# Allegro board Try it by yourself - iMX6Rex module - Create Class - Assign Color - Copy last segment.brd (continued)
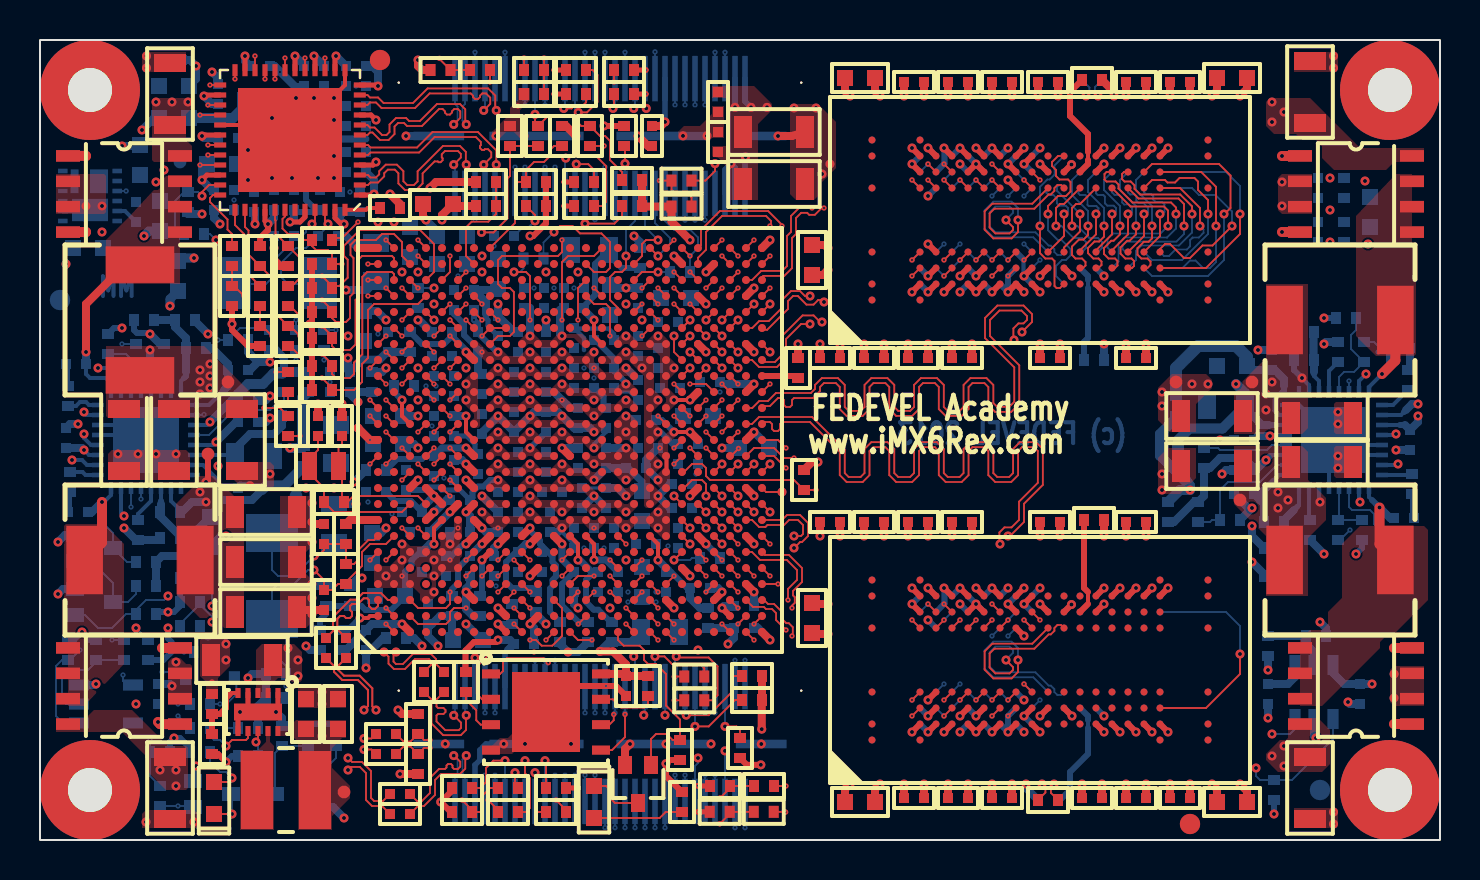
[diagram p0: board, top side]
## Footprints (pads in the part's own frame, mm; a bottom-side part is the same pattern mirrored in y, then rotated) (continued)
C1206_14
  rect 0.9x1.6 smd: 1(-1.55,0) 2(1.55,0)
C1206_15
  rect 0.9x1.6 smd: 1(-1.55,0) 2(1.55,0)
C1206_16
  rect 0.9x1.6 smd: 1(-1.55,0) 2(1.55,0)
DBV_SOT_23_5
  rect 1x0.55 smd: 1(-1.35,0.95) 2(-1.35,0) 3(-1.35,-0.95) 4(1.35,-0.95) 5(1.35,0.95)
DBV_SOT_23_6
  rect 1x0.55 smd: 1(-1.35,0.95) 2(-1.35,0) 3(-1.35,-0.95) 4(1.35,-0.95) 5(1.35,0) 6(1.35,0.95)
DQC_PWSON-N10
  rect 0.5x0.25 smd: 1(-0.95,1) 2(-0.95,0.5) 3(-0.95,0) 4(-0.95,-0.5) 5(-0.95,-1) 6(0.95,-1) 7(0.95,-0.5) 8(0.95,0) 9(0.95,0.5) 10(0.95,1)
  rect 0.84x2.4 smd: 11(0,0)
FID_40X52D
  round 1.016 smd: 1(0,0)
FID_40X52D_1
  round 1.016 smd: 1(0,0)
FID_40X52D_2
  round 1.016 smd: 1(0,0)
FID_40X52D_3
  round 1.016 smd: 1(0,0)
IHLP_255MILX270MIL
  rect 1.829x3.429 smd: 1(-2.769,0) 2(2.769,0)
IHLP_255MILX270MIL_1
  rect 1.829x3.429 smd: 1(-2.769,0) 2(2.769,0)
IHLP_255MILX270MIL_2
  rect 1.829x3.429 smd: 1(-2.769,0) 2(2.769,0)
IHLP_255MILX270MIL_3
  rect 1.829x3.429 smd: 1(-2.769,0) 2(2.769,0)
LED_0603
  rect 0.8x0.8 smd: 1(-0.8,0) 2(0.8,0)
LED_0603_1
  rect 0.8x0.8 smd: 1(-0.8,0) 2(0.8,0)
MH_5MMD_2_2MMD
  round 5 hole 2.2: 1(0,0)
MH_5MMD_2_2MMD_1
  round 5 hole 2.2: 1(0,0)
MH_5MMD_2_2MMD_2
  round 5 hole 2.2: 1(0,0)
MH_5MMD_2_2MMD_3
  round 5 hole 2.2: 1(0,0)
MLF_3X3_12PINS
  rect 0.48x0.23 smd: 1(-1.36,1.25) 2(-1.36,0.75) 3(-1.36,0.25) 4(-1.36,-0.25) 5(-1.36,-0.75) 6(-1.36,-1.25) 7(1.36,-1.25) 8(1.36,-0.75) 9(1.36,-0.25) 10(1.36,0.25) 11(1.36,0.75) 12(1.36,1.25)
  rect 1.8x1.125 smd: 13(0,0.699)
  rect 0.4x1.19 smd: 14(-0.77,-0.73)
  rect 0.9x1.19 smd: 15(0.45,-0.73)
PBGA624
  round 0.4 smd: A2(-8.8,9.6) A3(-8,9.6) A4(-7.2,9.6) A5(-6.4,9.6) A6(-5.6,9.6) A7(-4.8,9.6) A8(-4,9.6) A9(-3.2,9.6) A10(-2.4,9.6) A11(-1.6,9.6) A12(-0.8,9.6) A13(0,9.6) A14(0.8,9.6) A15(1.6,9.6) A16(2.4,9.6) A17(3.2,9.6) A18(4,9.6) A19(4.8,9.6) A20(5.6,9.6) A21(6.4,9.6) A22(7.2,9.6) A23(8,9.6) A24(8.8,9.6) A25(9.6,9.6) AA1(-9.6,-6.4) AA2(-8.8,-6.4) AA3(-8,-6.4) AA4(-7.2,-6.4) AA5(-6.4,-6.4) AA6(-5.6,-6.4) AA7(-4.8,-6.4) AA8(-4,-6.4) AA9(-3.2,-6.4) AA10(-2.4,-6.4) AA11(-1.6,-6.4) AA12(-0.8,-6.4) AA13(0,-6.4) AA14(0.8,-6.4) AA15(1.6,-6.4) AA16(2.4,-6.4) AA17(3.2,-6.4) AA18(4,-6.4) AA19(4.8,-6.4) AA20(5.6,-6.4) AA21(6.4,-6.4) AA22(7.2,-6.4) AA23(8,-6.4) AA24(8.8,-6.4) AA25(9.6,-6.4) AB1(-9.6,-7.2) AB2(-8.8,-7.2) AB3(-8,-7.2) AB4(-7.2,-7.2) AB5(-6.4,-7.2) AB6(-5.6,-7.2) AB7(-4.8,-7.2) AB8(-4,-7.2) AB9(-3.2,-7.2) AB10(-2.4,-7.2) AB11(-1.6,-7.2) AB12(-0.8,-7.2) AB13(0,-7.2) AB14(0.8,-7.2) AB15(1.6,-7.2) AB16(2.4,-7.2) AB17(3.2,-7.2) AB18(4,-7.2) AB19(4.8,-7.2) AB20(5.6,-7.2) AB21(6.4,-7.2) AB22(7.2,-7.2) AB23(8,-7.2) AB24(8.8,-7.2) AB25(9.6,-7.2) AC1(-9.6,-8) AC2(-8.8,-8) AC3(-8,-8) AC4(-7.2,-8) AC5(-6.4,-8) AC6(-5.6,-8) AC7(-4.8,-8) AC8(-4,-8) AC9(-3.2,-8) AC10(-2.4,-8) AC11(-1.6,-8) AC12(-0.8,-8) AC13(0,-8) AC14(0.8,-8) AC15(1.6,-8) AC16(2.4,-8) AC17(3.2,-8) AC18(4,-8) AC19(4.8,-8) AC20(5.6,-8) AC21(6.4,-8) AC22(7.2,-8) AC23(8,-8) AC24(8.8,-8) AC25(9.6,-8) AD1(-9.6,-8.8) AD2(-8.8,-8.8) AD3(-8,-8.8) AD4(-7.2,-8.8) AD5(-6.4,-8.8) AD6(-5.6,-8.8) AD7(-4.8,-8.8) AD8(-4,-8.8) AD9(-3.2,-8.8) AD10(-2.4,-8.8) AD11(-1.6,-8.8) AD12(-0.8,-8.8) AD13(0,-8.8) AD14(0.8,-8.8) AD15(1.6,-8.8) AD16(2.4,-8.8) AD17(3.2,-8.8) AD18(4,-8.8) AD19(4.8,-8.8) AD20(5.6,-8.8) AD21(6.4,-8.8) AD22(7.2,-8.8) AD23(8,-8.8) AD24(8.8,-8.8) AD25(9.6,-8.8) AE1(-9.6,-9.6) AE2(-8.8,-9.6) AE3(-8,-9.6) AE4(-7.2,-9.6) AE5(-6.4,-9.6) AE6(-5.6,-9.6) AE7(-4.8,-9.6) AE8(-4,-9.6) AE9(-3.2,-9.6) AE10(-2.4,-9.6) AE11(-1.6,-9.6) AE12(-0.8,-9.6) AE13(0,-9.6) AE14(0.8,-9.6) AE15(1.6,-9.6) AE16(2.4,-9.6) AE17(3.2,-9.6) AE18(4,-9.6) AE19(4.8,-9.6) AE20(5.6,-9.6) AE21(6.4,-9.6) AE22(7.2,-9.6) AE23(8,-9.6) AE24(8.8,-9.6) AE25(9.6,-9.6) B1(-9.6,8.8) B2(-8.8,8.8) B3(-8,8.8) B4(-7.2,8.8) B5(-6.4,8.8) B6(-5.6,8.8) B7(-4.8,8.8) B8(-4,8.8) B9(-3.2,8.8) B10(-2.4,8.8) B11(-1.6,8.8) B12(-0.8,8.8) B13(0,8.8) B14(0.8,8.8) B15(1.6,8.8) B16(2.4,8.8) B17(3.2,8.8) B18(4,8.8) B19(4.8,8.8) B20(5.6,8.8) B21(6.4,8.8) B22(7.2,8.8) B23(8,8.8) B24(8.8,8.8) B25(9.6,8.8) C1(-9.6,8) C2(-8.8,8) C3(-8,8) C4(-7.2,8) C5(-6.4,8) C6(-5.6,8) C7(-4.8,8) C8(-4,8) C9(-3.2,8) C10(-2.4,8) C11(-1.6,8) C12(-0.8,8) C13(0,8) C14(0.8,8) C15(1.6,8) C16(2.4,8) C17(3.2,8) C18(4,8) C19(4.8,8) C20(5.6,8) C21(6.4,8) C22(7.2,8) C23(8,8) C24(8.8,8) C25(9.6,8) D1(-9.6,7.2) D2(-8.8,7.2) D3(-8,7.2) D4(-7.2,7.2) D5(-6.4,7.2) D6(-5.6,7.2) D7(-4.8,7.2) D8(-4,7.2) D9(-3.2,7.2) D10(-2.4,7.2) D11(-1.6,7.2) D12(-0.8,7.2) D13(0,7.2) D14(0.8,7.2) D15(1.6,7.2) D16(2.4,7.2) D17(3.2,7.2) D18(4,7.2) D19(4.8,7.2) D20(5.6,7.2) D21(6.4,7.2) D22(7.2,7.2) D23(8,7.2) D24(8.8,7.2) D25(9.6,7.2) E1(-9.6,6.4) E2(-8.8,6.4) E3(-8,6.4) E4(-7.2,6.4) E5(-6.4,6.4) E6(-5.6,6.4) E7(-4.8,6.4) E8(-4,6.4) E9(-3.2,6.4) E10(-2.4,6.4) E11(-1.6,6.4) E12(-0.8,6.4) E13(0,6.4) E14(0.8,6.4) E15(1.6,6.4) E16(2.4,6.4) E17(3.2,6.4) E18(4,6.4) E19(4.8,6.4) E20(5.6,6.4) E21(6.4,6.4) E22(7.2,6.4) E23(8,6.4) E24(8.8,6.4) E25(9.6,6.4) F1(-9.6,5.6) F2(-8.8,5.6) F3(-8,5.6) F4(-7.2,5.6) F5(-6.4,5.6) F6(-5.6,5.6) F7(-4.8,5.6) F8(-4,5.6) F9(-3.2,5.6) F10(-2.4,5.6) F11(-1.6,5.6) F12(-0.8,5.6) F13(0,5.6) F14(0.8,5.6) F15(1.6,5.6) F16(2.4,5.6) F17(3.2,5.6) F18(4,5.6) F19(4.8,5.6) F20(5.6,5.6) F21(6.4,5.6) F22(7.2,5.6) F23(8,5.6) F24(8.8,5.6) F25(9.6,5.6) G1(-9.6,4.8) G2(-8.8,4.8) G3(-8,4.8) G4(-7.2,4.8) G5(-6.4,4.8) G6(-5.6,4.8) G7(-4.8,4.8) G8(-4,4.8) G9(-3.2,4.8) G10(-2.4,4.8) G11(-1.6,4.8) G12(-0.8,4.8) G13(0,4.8) G14(0.8,4.8) G15(1.6,4.8) G16(2.4,4.8) G17(3.2,4.8) G18(4,4.8) G19(4.8,4.8) G20(5.6,4.8) G21(6.4,4.8) G22(7.2,4.8) G23(8,4.8) G24(8.8,4.8) G25(9.6,4.8) H1(-9.6,4) H2(-8.8,4) H3(-8,4) H4(-7.2,4) H5(-6.4,4) H6(-5.6,4) H7(-4.8,4) H8(-4,4) H9(-3.2,4) H10(-2.4,4) H11(-1.6,4) H12(-0.8,4) H13(0,4) H14(0.8,4) H15(1.6,4) H16(2.4,4) H17(3.2,4) H18(4,4) H19(4.8,4) H20(5.6,4) H21(6.4,4) H22(7.2,4) H23(8,4) H24(8.8,4) H25(9.6,4) J1(-9.6,3.2) J2(-8.8,3.2) J3(-8,3.2) J4(-7.2,3.2) J5(-6.4,3.2) J6(-5.6,3.2) J7(-4.8,3.2) J8(-4,3.2) J9(-3.2,3.2) J10(-2.4,3.2) J11(-1.6,3.2) J12(-0.8,3.2) J13(0,3.2) J14(0.8,3.2) J15(1.6,3.2) J16(2.4,3.2) J17(3.2,3.2) J18(4,3.2) J19(4.8,3.2) J20(5.6,3.2) J21(6.4,3.2) J22(7.2,3.2) J23(8,3.2) J24(8.8,3.2) J25(9.6,3.2) K1(-9.6,2.4) K2(-8.8,2.4) K3(-8,2.4) K4(-7.2,2.4) K5(-6.4,2.4) K6(-5.6,2.4) K7(-4.8,2.4) K8(-4,2.4) K9(-3.2,2.4) K10(-2.4,2.4) K11(-1.6,2.4) K12(-0.8,2.4) K13(0,2.4) K14(0.8,2.4) K15(1.6,2.4) K16(2.4,2.4) K17(3.2,2.4) K18(4,2.4) K19(4.8,2.4) K20(5.6,2.4) K21(6.4,2.4) K22(7.2,2.4) K23(8,2.4) K24(8.8,2.4) K25(9.6,2.4) L1(-9.6,1.6) L2(-8.8,1.6) L3(-8,1.6) L4(-7.2,1.6) L5(-6.4,1.6) L6(-5.6,1.6) L7(-4.8,1.6) L8(-4,1.6) L9(-3.2,1.6) L10(-2.4,1.6) L11(-1.6,1.6) L12(-0.8,1.6) L13(0,1.6) L14(0.8,1.6) L15(1.6,1.6) L16(2.4,1.6) L17(3.2,1.6) L18(4,1.6) L19(4.8,1.6) L20(5.6,1.6) L21(6.4,1.6) L22(7.2,1.6) L23(8,1.6) L24(8.8,1.6) L25(9.6,1.6) M1(-9.6,0.8) M2(-8.8,0.8) M3(-8,0.8) M4(-7.2,0.8) M5(-6.4,0.8) M6(-5.6,0.8) M7(-4.8,0.8) M8(-4,0.8) M9(-3.2,0.8) M10(-2.4,0.8) M11(-1.6,0.8) M12(-0.8,0.8) M13(0,0.8) M14(0.8,0.8) M15(1.6,0.8) M16(2.4,0.8) M17(3.2,0.8) M18(4,0.8) M19(4.8,0.8) M20(5.6,0.8) M21(6.4,0.8) M22(7.2,0.8) M23(8,0.8) M24(8.8,0.8) M25(9.6,0.8) N1(-9.6,0) N2(-8.8,0) N3(-8,0) N4(-7.2,0) N5(-6.4,0) N6(-5.6,0) N7(-4.8,0) N8(-4,0) N9(-3.2,0) N10(-2.4,0) N11(-1.6,0) N12(-0.8,0) N13(0,0) N14(0.8,0) N15(1.6,0) N16(2.4,0) N17(3.2,0) N18(4,0) N19(4.8,0) N20(5.6,0) N21(6.4,0) N22(7.2,0) N23(8,0) N24(8.8,0) N25(9.6,0) P1(-9.6,-0.8) P2(-8.8,-0.8) P3(-8,-0.8) P4(-7.2,-0.8) P5(-6.4,-0.8) P6(-5.6,-0.8) P7(-4.8,-0.8) P8(-4,-0.8) P9(-3.2,-0.8) P10(-2.4,-0.8) P11(-1.6,-0.8) P12(-0.8,-0.8) P13(0,-0.8) P14(0.8,-0.8) P15(1.6,-0.8) P16(2.4,-0.8) P17(3.2,-0.8) P18(4,-0.8) P19(4.8,-0.8) P20(5.6,-0.8) P21(6.4,-0.8) P22(7.2,-0.8) P23(8,-0.8) P24(8.8,-0.8) P25(9.6,-0.8) R1(-9.6,-1.6) R2(-8.8,-1.6) R3(-8,-1.6) R4(-7.2,-1.6) R5(-6.4,-1.6) R6(-5.6,-1.6) R7(-4.8,-1.6) R8(-4,-1.6) R9(-3.2,-1.6) R10(-2.4,-1.6) R11(-1.6,-1.6) R12(-0.8,-1.6) R13(0,-1.6) R14(0.8,-1.6) R15(1.6,-1.6) R16(2.4,-1.6) R17(3.2,-1.6) R18(4,-1.6) R19(4.8,-1.6) R20(5.6,-1.6) R21(6.4,-1.6) R22(7.2,-1.6) R23(8,-1.6) R24(8.8,-1.6) R25(9.6,-1.6) T1(-9.6,-2.4) T2(-8.8,-2.4) T3(-8,-2.4) T4(-7.2,-2.4) T5(-6.4,-2.4) T6(-5.6,-2.4) T7(-4.8,-2.4) T8(-4,-2.4) T9(-3.2,-2.4) T10(-2.4,-2.4) T11(-1.6,-2.4) T12(-0.8,-2.4) T13(0,-2.4) T14(0.8,-2.4) T15(1.6,-2.4) T16(2.4,-2.4) T17(3.2,-2.4) T18(4,-2.4) T19(4.8,-2.4) T20(5.6,-2.4) T21(6.4,-2.4) T22(7.2,-2.4) T23(8,-2.4) T24(8.8,-2.4) T25(9.6,-2.4) U1(-9.6,-3.2) U2(-8.8,-3.2) U3(-8,-3.2) U4(-7.2,-3.2) U5(-6.4,-3.2) U6(-5.6,-3.2) U7(-4.8,-3.2) U8(-4,-3.2) U9(-3.2,-3.2) U10(-2.4,-3.2) U11(-1.6,-3.2) U12(-0.8,-3.2) U13(0,-3.2) U14(0.8,-3.2) U15(1.6,-3.2) U16(2.4,-3.2) U17(3.2,-3.2) U18(4,-3.2) U19(4.8,-3.2) U20(5.6,-3.2) U21(6.4,-3.2) U22(7.2,-3.2) U23(8,-3.2) U24(8.8,-3.2) U25(9.6,-3.2) V1(-9.6,-4) V2(-8.8,-4) V3(-8,-4) V4(-7.2,-4) V5(-6.4,-4) V6(-5.6,-4) V7(-4.8,-4) V8(-4,-4) V9(-3.2,-4) V10(-2.4,-4) V11(-1.6,-4) V12(-0.8,-4) V13(0,-4) V14(0.8,-4) V15(1.6,-4) V16(2.4,-4) V17(3.2,-4) V18(4,-4) V19(4.8,-4) V20(5.6,-4) V21(6.4,-4) V22(7.2,-4) V23(8,-4) V24(8.8,-4) V25(9.6,-4) W1(-9.6,-4.8) W2(-8.8,-4.8) W3(-8,-4.8) W4(-7.2,-4.8) W5(-6.4,-4.8) W6(-5.6,-4.8) W7(-4.8,-4.8) W8(-4,-4.8) W9(-3.2,-4.8) W10(-2.4,-4.8) W11(-1.6,-4.8) W12(-0.8,-4.8) W13(0,-4.8) W14(0.8,-4.8) W15(1.6,-4.8) W16(2.4,-4.8) W17(3.2,-4.8) W18(4,-4.8) W19(4.8,-4.8) W20(5.6,-4.8) W21(6.4,-4.8) W22(7.2,-4.8) W23(8,-4.8) W24(8.8,-4.8) W25(9.6,-4.8) Y1(-9.6,-5.6) Y2(-8.8,-5.6) Y3(-8,-5.6) Y4(-7.2,-5.6) Y5(-6.4,-5.6) Y6(-5.6,-5.6) Y7(-4.8,-5.6) Y8(-4,-5.6) Y9(-3.2,-5.6) Y10(-2.4,-5.6) Y11(-1.6,-5.6) Y12(-0.8,-5.6) Y13(0,-5.6) Y14(0.8,-5.6) Y15(1.6,-5.6) Y16(2.4,-5.6) Y17(3.2,-5.6) Y18(4,-5.6) Y19(4.8,-5.6) Y20(5.6,-5.6) Y21(6.4,-5.6) Y22(7.2,-5.6) Y23(8,-5.6) Y24(8.8,-5.6) Y25(9.6,-5.6)
QFN48_7MMX7MM
  rect 0.6x0.25 smd: 1(-3.49,2.75) 2(-3.49,2.25) 3(-3.49,1.75) 4(-3.49,1.25) 5(-3.49,0.75) 6(-3.49,0.25) 7(-3.49,-0.25) 8(-3.49,-0.75) 9(-3.49,-1.25) 10(-3.49,-1.75) 11(-3.49,-2.25) 12(-3.49,-2.75) 25(3.49,-2.75) 26(3.49,-2.25) 27(3.49,-1.75) 28(3.49,-1.25) 29(3.49,-0.75) 30(3.49,-0.25) 31(3.49,0.25) 32(3.49,0.75) 33(3.49,1.25) 34(3.49,1.75) 35(3.49,2.25) 36(3.49,2.75)
  rect 0.25x0.6 smd: 13(-2.75,-3.49) 14(-2.25,-3.49) 15(-1.75,-3.49) 16(-1.25,-3.49) 17(-0.75,-3.49) 18(-0.25,-3.49) 19(0.25,-3.49) 20(0.75,-3.49) 21(1.25,-3.49) 22(1.75,-3.49) 23(2.25,-3.49) 24(2.75,-3.49) 37(2.75,3.49) 38(2.25,3.49) 39(1.75,3.49) 40(1.25,3.49) 41(0.75,3.49) 42(0.25,3.49) 43(-0.25,3.49) 44(-0.75,3.49) 45(-1.25,3.49) 46(-1.75,3.49) 47(-2.25,3.49) 48(-2.75,3.49)
  rect 5.2x5.2 smd: 49(0,0)
QSH-030-01-L-D-A
  rect 2.27x0.28 smd: 1(-2.87,7.25) 2(2.87,7.25) 3(-2.87,6.75) 4(2.87,6.75) 5(-2.87,6.25) 6(2.87,6.25) 7(-2.87,5.75) 8(2.87,5.75) 9(-2.87,5.25) 10(2.87,5.25) 11(-2.87,4.75) 12(2.87,4.75) 13(-2.87,4.25) 14(2.87,4.25) 15(-2.87,3.75) 16(2.87,3.75) 17(-2.87,3.25) 18(2.87,3.25) 19(-2.87,2.75) 20(2.87,2.75) 21(-2.87,2.25) 22(2.87,2.25) 23(-2.87,1.75) 24(2.87,1.75) 25(-2.87,1.25) 26(2.87,1.25) 27(-2.87,0.75) 28(2.87,0.75) 29(-2.87,0.25) 30(2.87,0.25) 31(-2.87,-0.25) 32(2.87,-0.25) 33(-2.87,-0.75) 34(2.87,-0.75) 35(-2.87,-1.25) 36(2.87,-1.25) 37(-2.87,-1.75) 38(2.87,-1.75) 39(-2.87,-2.25) 40(2.87,-2.25) 41(-2.87,-2.75) 42(2.87,-2.75) 43(-2.87,-3.25) 44(2.87,-3.25) 45(-2.87,-3.75) 46(2.87,-3.75) 47(-2.87,-4.25) 48(2.87,-4.25) 49(-2.87,-4.75) 50(2.87,-4.75) 51(-2.87,-5.25) 52(2.87,-5.25) 53(-2.87,-5.75) 54(2.87,-5.75) 55(-2.87,-6.25) 56(2.87,-6.25) 57(-2.87,-6.75) 58(2.87,-6.75) 59(-2.87,-7.25) 60(2.87,-7.25)
  rect 0.43x2.54 smd: 61(0,8.065) 64(0,-8.065)
  rect 0.43x4.7 smd: 62(0,3.175) 63(0,-3.175)
  round 0.105 hole 1.05: 65(2.67,10.065) 66(2.67,-10.065)
QSH-030-01-L-D-A_1
  rect 2.27x0.28 smd: 1(-2.87,7.25) 2(2.87,7.25) 3(-2.87,6.75) 4(2.87,6.75) 5(-2.87,6.25) 6(2.87,6.25) 7(-2.87,5.75) 8(2.87,5.75) 9(-2.87,5.25) 10(2.87,5.25) 11(-2.87,4.75) 12(2.87,4.75) 13(-2.87,4.25) 14(2.87,4.25) 15(-2.87,3.75) 16(2.87,3.75) 17(-2.87,3.25) 18(2.87,3.25) 19(-2.87,2.75) 20(2.87,2.75) 21(-2.87,2.25) 22(2.87,2.25) 23(-2.87,1.75) 24(2.87,1.75) 25(-2.87,1.25) 26(2.87,1.25) 27(-2.87,0.75) 28(2.87,0.75) 29(-2.87,0.25) 30(2.87,0.25) 31(-2.87,-0.25) 32(2.87,-0.25) 33(-2.87,-0.75) 34(2.87,-0.75) 35(-2.87,-1.25) 36(2.87,-1.25) 37(-2.87,-1.75) 38(2.87,-1.75) 39(-2.87,-2.25) 40(2.87,-2.25) 41(-2.87,-2.75) 42(2.87,-2.75) 43(-2.87,-3.25) 44(2.87,-3.25) 45(-2.87,-3.75) 46(2.87,-3.75) 47(-2.87,-4.25) 48(2.87,-4.25) 49(-2.87,-4.75) 50(2.87,-4.75) 51(-2.87,-5.25) 52(2.87,-5.25) 53(-2.87,-5.75) 54(2.87,-5.75) 55(-2.87,-6.25) 56(2.87,-6.25) 57(-2.87,-6.75) 58(2.87,-6.75) 59(-2.87,-7.25) 60(2.87,-7.25)
  rect 0.43x2.54 smd: 61(0,8.065) 64(0,-8.065)
  rect 0.43x4.7 smd: 62(0,3.175) 63(0,-3.175)
  round 0.105 hole 1.05: 65(2.67,10.065) 66(2.67,-10.065)
R0402
  rect 0.5x0.6 smd: 1(-0.5,0) 2(0.5,0)
R0402_1
  rect 0.5x0.6 smd: 1(-0.5,0) 2(0.5,0)
R0402_2
  rect 0.5x0.6 smd: 1(-0.5,0) 2(0.5,0)
R0402_3
  rect 0.5x0.6 smd: 1(-0.5,0) 2(0.5,0)
R0402_4
  rect 0.5x0.6 smd: 1(-0.5,0) 2(0.5,0)
R0402_5
  rect 0.5x0.6 smd: 1(-0.5,0) 2(0.5,0)
R0402_6
  rect 0.5x0.6 smd: 1(-0.5,0) 2(0.5,0)
R0402_7
  rect 0.5x0.6 smd: 1(-0.5,0) 2(0.5,0)
R0402_8
  rect 0.5x0.6 smd: 1(-0.5,0) 2(0.5,0)
R0402_9
  rect 0.5x0.6 smd: 1(-0.5,0) 2(0.5,0)
R0402_10
  rect 0.5x0.6 smd: 1(-0.5,0) 2(0.5,0)
R0402_11
  rect 0.5x0.6 smd: 1(-0.5,0) 2(0.5,0)
R0402_12
  rect 0.5x0.6 smd: 1(-0.5,0) 2(0.5,0)
R0402_13
  rect 0.5x0.6 smd: 1(-0.5,0) 2(0.5,0)
R0402_14
  rect 0.5x0.6 smd: 1(-0.5,0) 2(0.5,0)
R0402_15
  rect 0.5x0.6 smd: 1(-0.5,0) 2(0.5,0)
R0402_16
  rect 0.5x0.6 smd: 1(-0.5,0) 2(0.5,0)
R0402_17
  rect 0.5x0.6 smd: 1(-0.5,0) 2(0.5,0)
R0402_18
  rect 0.5x0.6 smd: 1(-0.5,0) 2(0.5,0)
R0402_19
  rect 0.5x0.6 smd: 1(-0.5,0) 2(0.5,0)
R0402_20
  rect 0.5x0.6 smd: 1(-0.5,0) 2(0.5,0)
R0402_21
  rect 0.5x0.6 smd: 1(-0.5,0) 2(0.5,0)
R0402_22
  rect 0.5x0.6 smd: 1(-0.5,0) 2(0.5,0)
R0402_23
  rect 0.5x0.6 smd: 1(-0.5,0) 2(0.5,0)
R0402_24
  rect 0.5x0.6 smd: 1(-0.5,0) 2(0.5,0)
R0402_25
  rect 0.5x0.6 smd: 1(-0.5,0) 2(0.5,0)
R0402_26
  rect 0.5x0.6 smd: 1(-0.5,0) 2(0.5,0)
R0402_27
  rect 0.5x0.6 smd: 1(-0.5,0) 2(0.5,0)
R0402_28
  rect 0.5x0.6 smd: 1(-0.5,0) 2(0.5,0)
R0402_29
  rect 0.5x0.6 smd: 1(-0.5,0) 2(0.5,0)
R0402_30
  rect 0.5x0.6 smd: 1(-0.5,0) 2(0.5,0)
R0402_31
  rect 0.5x0.6 smd: 1(-0.5,0) 2(0.5,0)
R0402_32
  rect 0.5x0.6 smd: 1(-0.5,0) 2(0.5,0)
R0402_33
  rect 0.5x0.6 smd: 1(-0.5,0) 2(0.5,0)
R0402_34
  rect 0.5x0.6 smd: 1(-0.5,0) 2(0.5,0)
R0402_35
  rect 0.5x0.6 smd: 1(-0.5,0) 2(0.5,0)
R0402_36
  rect 0.5x0.6 smd: 1(-0.5,0) 2(0.5,0)
R0402_37
  rect 0.5x0.6 smd: 1(-0.5,0) 2(0.5,0)
R0402_38
  rect 0.5x0.6 smd: 1(-0.5,0) 2(0.5,0)
R0402_39
  rect 0.5x0.6 smd: 1(-0.5,0) 2(0.5,0)
R0402_40
  rect 0.5x0.6 smd: 1(-0.5,0) 2(0.5,0)
R0402_41
  rect 0.5x0.6 smd: 1(-0.5,0) 2(0.5,0)
R0402_42
  rect 0.5x0.6 smd: 1(-0.5,0) 2(0.5,0)
R0402_43
  rect 0.5x0.6 smd: 1(-0.5,0) 2(0.5,0)
R0402_44
  rect 0.5x0.6 smd: 1(-0.5,0) 2(0.5,0)
R0402_45
  rect 0.5x0.6 smd: 1(-0.5,0) 2(0.5,0)
R0402_46
  rect 0.5x0.6 smd: 1(-0.5,0) 2(0.5,0)
R0402_47
  rect 0.5x0.6 smd: 1(-0.5,0) 2(0.5,0)
R0402_48
  rect 0.5x0.6 smd: 1(-0.5,0) 2(0.5,0)
R0402_49
  rect 0.5x0.6 smd: 1(-0.5,0) 2(0.5,0)
R0402_50
  rect 0.5x0.6 smd: 1(-0.5,0) 2(0.5,0)
R0402_51
  rect 0.5x0.6 smd: 1(-0.5,0) 2(0.5,0)
R0402_52
  rect 0.5x0.6 smd: 1(-0.5,0) 2(0.5,0)
R0402_53
  rect 0.5x0.6 smd: 1(-0.5,0) 2(0.5,0)
R0402_54
  rect 0.5x0.6 smd: 1(-0.5,0) 2(0.5,0)
R0402_55
  rect 0.5x0.6 smd: 1(-0.5,0) 2(0.5,0)
R0402_56
  rect 0.5x0.6 smd: 1(-0.5,0) 2(0.5,0)
R0402_57
  rect 0.5x0.6 smd: 1(-0.5,0) 2(0.5,0)
R0402_58
  rect 0.5x0.6 smd: 1(-0.5,0) 2(0.5,0)
R0402_59
  rect 0.5x0.6 smd: 1(-0.5,0) 2(0.5,0)
R0402_60
  rect 0.5x0.6 smd: 1(-0.5,0) 2(0.5,0)
R0402_61
  rect 0.5x0.6 smd: 1(-0.5,0) 2(0.5,0)
R0402_62
  rect 0.5x0.6 smd: 1(-0.5,0) 2(0.5,0)
R0402_63
  rect 0.5x0.6 smd: 1(-0.5,0) 2(0.5,0)
R0402_64
  rect 0.5x0.6 smd: 1(-0.5,0) 2(0.5,0)
R0402_65
  rect 0.5x0.6 smd: 1(-0.5,0) 2(0.5,0)
R0402_66
  rect 0.5x0.6 smd: 1(-0.5,0) 2(0.5,0)
R0402_67
  rect 0.5x0.6 smd: 1(-0.5,0) 2(0.5,0)
R0402_68
  rect 0.5x0.6 smd: 1(-0.5,0) 2(0.5,0)
R0402_69
  rect 0.5x0.6 smd: 1(-0.5,0) 2(0.5,0)
R0402_70
  rect 0.5x0.6 smd: 1(-0.5,0) 2(0.5,0)
R0402_71
  rect 0.5x0.6 smd: 1(-0.5,0) 2(0.5,0)
R0402_72
  rect 0.5x0.6 smd: 1(-0.5,0) 2(0.5,0)
R0402_73
  rect 0.5x0.6 smd: 1(-0.5,0) 2(0.5,0)
R0402_74
  rect 0.5x0.6 smd: 1(-0.5,0) 2(0.5,0)
R0402_75
  rect 0.5x0.6 smd: 1(-0.5,0) 2(0.5,0)
R0402_76
  rect 0.5x0.6 smd: 1(-0.5,0) 2(0.5,0)
R0402_77
  rect 0.5x0.6 smd: 1(-0.5,0) 2(0.5,0)
R0402_78
  rect 0.5x0.6 smd: 1(-0.5,0) 2(0.5,0)
R0402_79
  rect 0.5x0.6 smd: 1(-0.5,0) 2(0.5,0)
R0402_80
  rect 0.5x0.6 smd: 1(-0.5,0) 2(0.5,0)
R0402_81
  rect 0.5x0.6 smd: 1(-0.5,0) 2(0.5,0)
R0402_82
  rect 0.5x0.6 smd: 1(-0.5,0) 2(0.5,0)
R0402_83
  rect 0.5x0.6 smd: 1(-0.5,0) 2(0.5,0)
R0402_84
  rect 0.5x0.6 smd: 1(-0.5,0) 2(0.5,0)
R0402_85
  rect 0.5x0.6 smd: 1(-0.5,0) 2(0.5,0)
R0402_86
  rect 0.5x0.6 smd: 1(-0.5,0) 2(0.5,0)
R0402_87
  rect 0.5x0.6 smd: 1(-0.5,0) 2(0.5,0)
R0402_88
  rect 0.5x0.6 smd: 1(-0.5,0) 2(0.5,0)
R0402_89
  rect 0.5x0.6 smd: 1(-0.5,0) 2(0.5,0)
R0402_90
  rect 0.5x0.6 smd: 1(-0.5,0) 2(0.5,0)
R0402_91
  rect 0.5x0.6 smd: 1(-0.5,0) 2(0.5,0)
R0402_92
  rect 0.5x0.6 smd: 1(-0.5,0) 2(0.5,0)
R0402_93
  rect 0.5x0.6 smd: 1(-0.5,0) 2(0.5,0)
R0402_94
  rect 0.5x0.6 smd: 1(-0.5,0) 2(0.5,0)
R0402_95
  rect 0.5x0.6 smd: 1(-0.5,0) 2(0.5,0)
R0402_96
  rect 0.5x0.6 smd: 1(-0.5,0) 2(0.5,0)
R0402_97
  rect 0.5x0.6 smd: 1(-0.5,0) 2(0.5,0)
R0402_98
  rect 0.5x0.6 smd: 1(-0.5,0) 2(0.5,0)
R0402_99
  rect 0.5x0.6 smd: 1(-0.5,0) 2(0.5,0)
R0402_100
  rect 0.5x0.6 smd: 1(-0.5,0) 2(0.5,0)
R0402_101
  rect 0.5x0.6 smd: 1(-0.5,0) 2(0.5,0)
R0402_102
  rect 0.5x0.6 smd: 1(-0.5,0) 2(0.5,0)
R0402_103
  rect 0.5x0.6 smd: 1(-0.5,0) 2(0.5,0)
R0402_104
  rect 0.5x0.6 smd: 1(-0.5,0) 2(0.5,0)
R0402_105
  rect 0.5x0.6 smd: 1(-0.5,0) 2(0.5,0)
R0402_106
  rect 0.5x0.6 smd: 1(-0.5,0) 2(0.5,0)
R0402_107
  rect 0.5x0.6 smd: 1(-0.5,0) 2(0.5,0)
R0402_108
  rect 0.5x0.6 smd: 1(-0.5,0) 2(0.5,0)
R0402_109
  rect 0.5x0.6 smd: 1(-0.5,0) 2(0.5,0)
R0402_110
  rect 0.5x0.6 smd: 1(-0.5,0) 2(0.5,0)
R0402_111
  rect 0.5x0.6 smd: 1(-0.5,0) 2(0.5,0)
R0402_112
  rect 0.5x0.6 smd: 1(-0.5,0) 2(0.5,0)
R0402_113
  rect 0.5x0.6 smd: 1(-0.5,0) 2(0.5,0)
R0402_114
  rect 0.5x0.6 smd: 1(-0.5,0) 2(0.5,0)
R0402_115
  rect 0.5x0.6 smd: 1(-0.5,0) 2(0.5,0)
R0402_116
  rect 0.5x0.6 smd: 1(-0.5,0) 2(0.5,0)
R0402_117
  rect 0.5x0.6 smd: 1(-0.5,0) 2(0.5,0)
R0402_118
  rect 0.5x0.6 smd: 1(-0.5,0) 2(0.5,0)
R0402_119
  rect 0.5x0.6 smd: 1(-0.5,0) 2(0.5,0)
R0402_120
  rect 0.5x0.6 smd: 1(-0.5,0) 2(0.5,0)
R0402_121
  rect 0.5x0.6 smd: 1(-0.5,0) 2(0.5,0)
R0402_122
  rect 0.5x0.6 smd: 1(-0.5,0) 2(0.5,0)
R0402_123
  rect 0.5x0.6 smd: 1(-0.5,0) 2(0.5,0)
R0402_124
  rect 0.5x0.6 smd: 1(-0.5,0) 2(0.5,0)
R0402_125
  rect 0.5x0.6 smd: 1(-0.5,0) 2(0.5,0)
R0402_126
  rect 0.5x0.6 smd: 1(-0.5,0) 2(0.5,0)
R0402_127
  rect 0.5x0.6 smd: 1(-0.5,0) 2(0.5,0)
R0402_128
  rect 0.5x0.6 smd: 1(-0.5,0) 2(0.5,0)
R0402_129
  rect 0.5x0.6 smd: 1(-0.5,0) 2(0.5,0)
R0402_130
  rect 0.5x0.6 smd: 1(-0.5,0) 2(0.5,0)
R0402_131
  rect 0.5x0.6 smd: 1(-0.5,0) 2(0.5,0)
R0402_132
  rect 0.5x0.6 smd: 1(-0.5,0) 2(0.5,0)
R0402_133
  rect 0.5x0.6 smd: 1(-0.5,0) 2(0.5,0)
R0402_134
  rect 0.5x0.6 smd: 1(-0.5,0) 2(0.5,0)
R0402_135
  rect 0.5x0.6 smd: 1(-0.5,0) 2(0.5,0)
R0402_136
  rect 0.5x0.6 smd: 1(-0.5,0) 2(0.5,0)
R0402_137
  rect 0.5x0.6 smd: 1(-0.5,0) 2(0.5,0)
R0402_138
  rect 0.5x0.6 smd: 1(-0.5,0) 2(0.5,0)
R0402_139
  rect 0.5x0.6 smd: 1(-0.5,0) 2(0.5,0)
R0402_140
  rect 0.5x0.6 smd: 1(-0.5,0) 2(0.5,0)
R0402_141
  rect 0.5x0.6 smd: 1(-0.5,0) 2(0.5,0)
R0402_142
  rect 0.5x0.6 smd: 1(-0.5,0) 2(0.5,0)
R0402_143
  rect 0.5x0.6 smd: 1(-0.5,0) 2(0.5,0)
R0402_144
  rect 0.5x0.6 smd: 1(-0.5,0) 2(0.5,0)
R0402_145
  rect 0.5x0.6 smd: 1(-0.5,0) 2(0.5,0)
R0402_146
  rect 0.5x0.6 smd: 1(-0.5,0) 2(0.5,0)
R0402_147
  rect 0.5x0.6 smd: 1(-0.5,0) 2(0.5,0)
R0402_148
  rect 0.5x0.6 smd: 1(-0.5,0) 2(0.5,0)
R0402_149
  rect 0.5x0.6 smd: 1(-0.5,0) 2(0.5,0)
R0402_150
  rect 0.5x0.6 smd: 1(-0.5,0) 2(0.5,0)
R0402_151
  rect 0.5x0.6 smd: 1(-0.5,0) 2(0.5,0)
R0402_152
  rect 0.5x0.6 smd: 1(-0.5,0) 2(0.5,0)
R0402_153
  rect 0.5x0.6 smd: 1(-0.5,0) 2(0.5,0)
R0402_154
  rect 0.5x0.6 smd: 1(-0.5,0) 2(0.5,0)
R0402_155
  rect 0.5x0.6 smd: 1(-0.5,0) 2(0.5,0)
R0402_156
  rect 0.5x0.6 smd: 1(-0.5,0) 2(0.5,0)
R0402_157
  rect 0.5x0.6 smd: 1(-0.5,0) 2(0.5,0)
R0402_158
  rect 0.5x0.6 smd: 1(-0.5,0) 2(0.5,0)
R0402_159
  rect 0.5x0.6 smd: 1(-0.5,0) 2(0.5,0)
R0402_160
  rect 0.5x0.6 smd: 1(-0.5,0) 2(0.5,0)
R0402_161
  rect 0.5x0.6 smd: 1(-0.5,0) 2(0.5,0)
R0402_162
  rect 0.5x0.6 smd: 1(-0.5,0) 2(0.5,0)
R0402_163
  rect 0.5x0.6 smd: 1(-0.5,0) 2(0.5,0)
R0402_164
  rect 0.5x0.6 smd: 1(-0.5,0) 2(0.5,0)
SC70_SOT323
  rect 0.9x0.7 smd: 1(-0.95,0.65) 2(-0.95,-0.65) 3(0.95,0)
SC70_SOT323_1
  rect 0.9x0.7 smd: 1(-0.95,0.65) 2(-0.95,-0.65) 3(0.95,0)
SC70_SOT323_2
  rect 0.9x0.7 smd: 1(-0.95,0.65) 2(-0.95,-0.65) 3(0.95,0)
SC70_SOT323_3
  rect 0.9x0.7 smd: 1(-0.95,0.65) 2(-0.95,-0.65) 3(0.95,0)
SC70_SOT323_4
  rect 0.9x0.7 smd: 1(-0.95,0.65) 2(-0.95,-0.65) 3(0.95,0)
SOD323
  rect 0.559x0.686 smd: 1(-1.219,0) 2(1.219,0)
TP_25C
  round 0.635 smd: 1(0,0)
TP_25C_1
  round 0.635 smd: 1(0,0)
TP_25C_2
  round 0.635 smd: 1(0,0)
TP_25C_3
  round 0.635 smd: 1(0,0)
TP_25C_4
  round 0.635 smd: 1(0,0)
TP_25C_5
  round 0.635 smd: 1(0,0)
TP_25C_6
  round 0.635 smd: 1(0,0)
TP_25C_7
  round 0.635 smd: 1(0,0)
VLCF4020
  rect 1.6x3.9 smd: 1(-1.45,0) 2(1.45,0)
WSON8_6X5MM
  rect 0.9x0.45 smd: 1(-2.75,1.905) 2(-2.75,0.635) 3(-2.75,-0.635) 4(-2.75,-1.905) 5(2.75,-1.905) 6(2.75,-0.635) 7(2.75,0.635) 8(2.75,1.905)
  rect 3.4x4 smd: 9(0,0)

## Nets
+1V1_NVCC_PLL_OUT: C150.1 C151.1 R77.2 R79.2 R105.1 U1.E8
+1V1_VDDSOC_CAP: C78.1 C112.1 C113.1 C114.1 C115.1 C116.1 C117.1 C118.1 C138.1 C246.1 FB1.1 R13.1 R18.1 R23.1 U1.N12 U1.R10 U1.T10 U1.T13 U1.T14 U1.U10 U1.U13 U1.U14
+1V2_ETH: C178.1 C179.1 FB3.1 FB4.1 FB5.1 FB8.1 R105.2 TP5.1 U9.7 U9.8 U9.10 U9.15
+1V2_ETH_AVDDL: C186.1 C187.1 C188.1 C189.1 FB4.2 U8.4 U8.9
+1V2_ETH_AVDDL_PLL: C191.1 C192.1 C193.1 FB5.2 U8.44
+1V2_ETH_DVDDL: C180.1 C181.1 C182.1 C183.1 C184.1 C185.1 C248.1 C249.1 FB3.2 U8.14 U8.18 U8.23 U8.26 U8.30 U8.39
+1V2_VDD_ARM_CAP: C97.1 C98.1 C99.1 C100.1 C101.1 C102.1 C103.1 C104.1 C105.1 C106.1 U1.H11 U1.H13 U1.J11 U1.J13 U1.K11 U1.K13 U1.L11 U1.L13 U1.M11 U1.M13 U1.N11 U1.N13 U1.P11 U1.P13 U1.R11 U1.R13
+1V5_DDR: C12.1 C13.1 C14.1 C15.1 C16.1 C17.1 C18.1 C19.1 C21.1 C22.1 C23.1 C24.1 C25.1 C26.1 C27.1 C28.1 C29.1 C30.1 C31.1 C32.1 C33.1 C34.1 C35.1 C36.1 C37.1 C38.1 C39.1 C40.1 C41.1 C42.1 C43.1 C44.1 C45.1 C46.1 C47.1 C48.1 C49.1 C50.1 C51.1 C52.1 C53.1 C54.1 C55.1 C56.1 C57.1 C58.1 C59.1 C60.1 C157.1 C158.1 C159.1 C160.1 C161.1 C162.1 C167.1 C168.1 C169.1 C170.1 C171.1 C172.1 C173.1 C235.1 C236.1 L5.2 R11.2 R59.2 TP9.1 U1.R18 U1.T18 U1.U18 U1.V9 U1.V10 U1.V11 U1.V12 U1.V13 U1.V14 U1.V15 U1.V16 U1.V17 U1.V18 U2.A1 U2.A8 U2.B2 U2.C1 U2.C9 U2.D2 U2.D9 U2.E9 U2.F1 U2.G7 U2.H2 U2.H9 U2.K2 U2.K8 U2.N1 U2.N9 U2.R1 U2.R9 U3.A1 U3.A8 U3.B2 U3.C1 U3.C9 U3.D2 U3.D9 U3.E9 U3.F1 U3.G7 U3.H2 U3.H9 U3.K2 U3.K8 U3.N1 U3.N9 U3.R1 U3.R9 U4.A1 U4.A8 U4.B2 U4.C1 U4.C9 U4.D2 U4.D9 U4.E9 U4.F1 U4.G7 U4.H2 U4.H9 U4.K2 U4.K8 U4.N1 U4.N9 U4.R1 U4.R9 U5.A1 U5.A8 U5.B2 U5.C1 U5.C9 U5.D2 U5.D9 U5.E9 U5.F1 U5.G7 U5.H2 U5.H9 U5.K2 U5.K8 U5.N1 U5.N9 U5.R1 U5.R9 U13.30
+1V375: C90.1 C91.1 C92.1 C93.1 C94.1 C95.1 C96.1 C107.1 C108.1 C109.1 C110.1 C111.1 C216.1 C217.1 C232.1 FB2.2 FB8.2 L2.2 R77.1 TP7.1 U1.H14 U1.J14 U1.K9 U1.K14 U1.L9 U1.L14 U1.M9 U1.M14 U1.N9 U1.N14 U1.P9 U1.P14 U1.R9 U1.R14 U1.T9 U1.U9 U11.30
+1V375_VDDSOC_IN: C119.1 C120.1 C121.1 C122.1 C123.1 C124.1 C125.1 C126.1 C127.1 C128.1 C129.1 FB2.1 U1.H16 U1.J16 U1.K16 U1.L16 U1.M16 U1.N16 U1.P16 U1.R16 U1.T16 U1.U16
+2V5: C153.1 C233.1 C234.1 C244.1 C245.1 C247.1 FB6.1 L4.1 R14.1 R19.1 R27.1 R34.1 R74.2 R78.2 R80.2 R147.2 TP8.1 U13.10
+2V5_ETH_DVDDH: C194.1 C195.1 C196.1 C197.1 C198.1 FB6.2 R75.2 R87.2 R89.2 R91.2 R94.2 R95.2 R96.2 R97.2 R98.2 R162.2 U8.16 U8.34 U8.40
+2V5_VDDHIGH_VPH: C139.2 C140.1 C141.1 U1.H10 U1.J10
+3V0_ALWAYS: C87.1 C136.1 C137.1 C142.1 C221.1 C222.1 L3.2 R48.2 R55.2 R60.2 R73.2 R103.2 R104.2 R106.2 R130.2 R138.2 R153.2 R154.2 R165.2 TP11.1 U1.G11 U1.H9 U1.J9 U6.6 U12.10
+3V3: C1.1 C89.1 C144.1 C146.1 C147.1 C148.1 C154.1 C163.1 C164.1 C165.1 C166.1 C174.1 C177.1 C203.1 C213.1 C214.1 C215.1 FB7.1 J2.50 L1.1 R21.2 R22.2 R28.2 R29.2 R31.2 R32.2 R33.2 R38.2 R39.2 R40.2 R41.2 R42.2 R43.2 R44.2 R45.2 R46.2 R47.2 R49.2 R62.2 R63.2 R64.2 R68.2 R69.2 R76.2 R100.2 R109.1 R110.2 R111.2 R113.2 R114.2 R115.2 R123.2 R129.2 R137.2 TP6.1 U1.G14 U1.G15 U1.G16 U1.G17 U1.J7 U1.K19 U1.L19 U1.M19 U1.P7 U1.P19 U7.5 U9.1 U10.8 U11.10
+3V3_ETH_AVDDH: C190.1 C199.1 C200.1 C201.1 C202.1 FB7.2 U8.1 U8.12 U8.47
+5V_LDO1: C204.1 C205.1 R116.2 R131.2 R132.2 U11.7
+5V_LDO2: C223.1 C224.1 R140.2 U13.7
+5V_PVCC1: C206.1 R116.1 R117.2 R118.1 U11.19
+5V_PVCC2: C225.1 R140.1 R141.2 R142.1 U13.19
+5V_USB_VBUS: C79.1 C82.1 C242.1 J1.18 U1.D10 U1.E9
+5V_VCC1: C207.1 R118.2 R127.2 R128.2 U11.3 U11.20
+5V_VCC2: C226.1 R142.2 R151.2 R152.2 U13.3 U13.20
+VDD_SNVS_CAP: C143.1 U1.G9
+VDDPU: C130.1 C131.1 C132.1 C133.1 C134.1 C135.1 U1.H17 U1.J17 U1.K17 U1.L17 U1.M17 U1.N17 U1.P17
+VDDUSB: C80.1 C81.1 U1.F9
+VIN: C2.1 C208.1 C209.1 C210.1 C220.1 C227.1 C228.1 C229.1 C239.1 C240.1 C241.1 J1.1 J1.2 J1.3 J1.4 J1.5 Q3.8 Q4.8 Q6.8 Q7.8 R117.1 R141.1 U11.6 U12.2 U12.3 U13.6
GND: C1.2 C2.2 C3.2 C4.2 C5.2 C6.2 C7.2 C8.2 C9.2 C10.2 C11.2 C12.2 C13.2 C14.2 C15.2 C16.2 C17.2 C19.2 C20.2 C21.2 C22.2 C23.2 C24.2 C25.2 C26.2 C27.2 C28.2 C29.2 C30.2 C31.2 C32.2 C33.2 C34.2 C35.2 C36.2 C37.2 C38.2 C39.2 C40.2 C41.2 C42.2 C43.2 C44.2 C45.2 C46.2 C47.2 C48.2 C49.2 C50.2 C51.2 C52.2 C53.2 C54.2 C55.2 C56.2 C57.2 C58.2 C59.2 C60.2 C61.2 C62.2 C64.2 C68.2 C73.2 C74.1 C75.2 C76.2 C77.2 C78.2 C79.2 C80.2 C81.2 C82.2 C83.2 C84.2 C85.2 C86.2 C87.2 C88.2 C89.2 C90.2 C91.2 C92.2 C93.2 C94.2 C95.2 C96.2 C97.2 C98.2 C99.2 C100.2 C101.2 C102.2 C103.2 C104.2 C105.2 C106.2 C107.2 C108.2 C109.2 C110.2 C111.2 C112.2 C113.2 C114.2 C115.2 C116.2 C117.2 C118.2 C119.2 C120.2 C121.2 C122.2 C123.2 C124.2 C125.2 C126.2 C127.2 C128.2 C129.2 C130.2 C131.2 C132.2 C133.2 C134.2 C135.2 C136.2 C137.2 C138.2 C139.1 C140.2 C141.2 C142.2 C143.2 C144.2 C145.2 C146.2 C147.2 C148.2 C149.2 C150.2 C151.2 C152.2 C153.2 C154.2 C155.2 C156.2 C157.2 C158.2 C159.2 C160.2 C161.2 C162.2 C163.2 C164.2 C165.2 C166.2 C167.2 C168.2 C169.2 C170.2 C171.2 C172.2 C173.2 C174.2 C175.2 C176.2 C177.2 C178.2 C180.2 C181.2 C182.2 C183.2 C184.2 C185.2 C186.2 C187.2 C188.2 C189.2 C190.2 C191.2 C192.2 C193.2 C194.2 C195.2 C196.2 C197.2 C198.2 C199.2 C200.2 C201.2 C202.2 C203.2 C204.2 C205.2 C206.2 C207.2 C208.2 C209.2 C210.2 C213.2 C214.2 C215.2 C216.2 C217.2 C218.2 C219.2 C220.2 C221.2 C222.2 C223.2 C224.2 C225.2 C226.2 C227.2 C228.2 C229.2 C232.2 C233.2 C234.2 C235.2 C236.2 C237.2 C238.2 C239.2 C240.2 C241.2 C242.2 C243.2 C244.2 C245.2 C246.2 C247.2 C248.2 C249.2 J1.61 J1.62 J1.63 J1.64 J2.55 J2.56 J2.61 J2.62 J2.63 J2.64 MH1.1 MH2.1 MH3.1 MH4.1 Q1.2 Q2.2 Q3.2 Q3.3 Q4.2 Q4.3 Q5.2 Q6.2 Q6.3 Q7.2 Q7.3 Q8.2 Q9.2 R4.1 R5.1 R6.1 R7.1 R8.1 R9.1 R10.2 R12.1 R15.1 R16.1 R17.1 R20.1 R26.1 R30.1 R37.2 R56.1 R57.1 R58.1 R61.1 R67.1 R79.1 R84.2 R99.1 R101.1 R102.1 R124.2 R125.1 R126.1 R133.1 R136.1 R139.1 R143.1 R144.1 R148.2 R149.1 R150.1 R155.1 R158.1 TP10.1 U1.A4 U1.A5 U1.A8 U1.A13 U1.A25 U1.AA7 U1.AA10 U1.AA13 U1.AA16 U1.AA19 U1.AA22 U1.AB3 U1.AB24 U1.AD4 U1.AD7 U1.AD10 U1.AD13 U1.AD16 U1.AD19 U1.AD22 U1.AE1 U1.AE25 U1.B4 U1.B5 U1.C1 U1.C4 U1.C6 U1.C10 U1.D3 U1.D6 U1.D8 U1.E5 U1.E6 U1.E7 U1.F5 U1.F6 U1.F7 U1.F8 U1.G3 U1.G10 U1.G19 U1.H8 U1.H12 U1.H15 U1.H18 U1.J2 U1.J8 U1.J12 U1.J15 U1.J18 U1.K8 U1.K10 U1.K12 U1.K15 U1.K18 U1.L2 U1.L5 U1.L8 U1.L10 U1.L12 U1.L15 U1.L18 U1.M8 U1.M10 U1.M12 U1.M15 U1.M18 U1.N8 U1.N10 U1.N15 U1.N18 U1.P8 U1.P10 U1.P12 U1.P15 U1.P18 U1.R8 U1.R12 U1.R15 U1.R17 U1.T8 U1.T11 U1.T12 U1.T15 U1.T17 U1.T19 U1.U8 U1.U11 U1.U12 U1.U15 U1.U17 U1.U19 U1.V8 U1.V19 U1.W3 U1.W7 U1.W8 U1.W9 U1.W10 U1.W11 U1.W12 U1.W13 U1.W15 U1.W16 U1.W17 U1.W18 U1.W19 U1.Y5 U1.Y24 U2.A9 U2.B1 U2.B3 U2.B9 U2.D1 U2.D8 U2.E1 U2.E2 U2.E8 U2.F9 U2.G1 U2.G8 U2.G9 U2.J2 U2.J8 U2.M1 U2.M9 U2.P1 U2.P9 U2.T1 U2.T9 U3.A9 U3.B1 U3.B3 U3.B9 U3.D1 U3.D8 U3.E1 U3.E2 U3.E8 U3.F9 U3.G1 U3.G8 U3.G9 U3.J2 U3.J8 U3.M1 U3.M9 U3.P1 U3.P9 U3.T1 U3.T9 U4.A9 U4.B1 U4.B3 U4.B9 U4.D1 U4.D8 U4.E1 U4.E2 U4.E8 U4.F9 U4.G1 U4.G8 U4.G9 U4.J2 U4.J8 U4.M1 U4.M9 U4.P1 U4.P9 U4.T1 U4.T9 U5.A9 U5.B1 U5.B3 U5.B9 U5.D1 U5.D8 U5.E1 U5.E2 U5.E8 U5.F9 U5.G1 U5.G8 U5.G9 U5.J2 U5.J8 U5.M1 U5.M9 U5.P1 U5.P9 U5.T1 U5.T9 U6.2 U7.3 U8.13 U8.29 U8.49 U9.2 U9.12 U9.13 U10.4 U10.9 U11.8 U11.21 U11.22 U11.29 U11.33 U12.1 U12.4 U12.6 U12.11 U13.8 U13.21 U13.22 U13.29 U13.33